# Altium PCB MPPT.PcbDoc
Units mm, origin at the board's own origin, x right, y up, seen from the top; angles counter-clockwise.
Board outline 131.83 x 54.74 mm, 2 copper layers (Top Layer, Bottom Layer), stack 0.569 mm thick; 33 components, 19 nets, 107 pads, 38 vias.
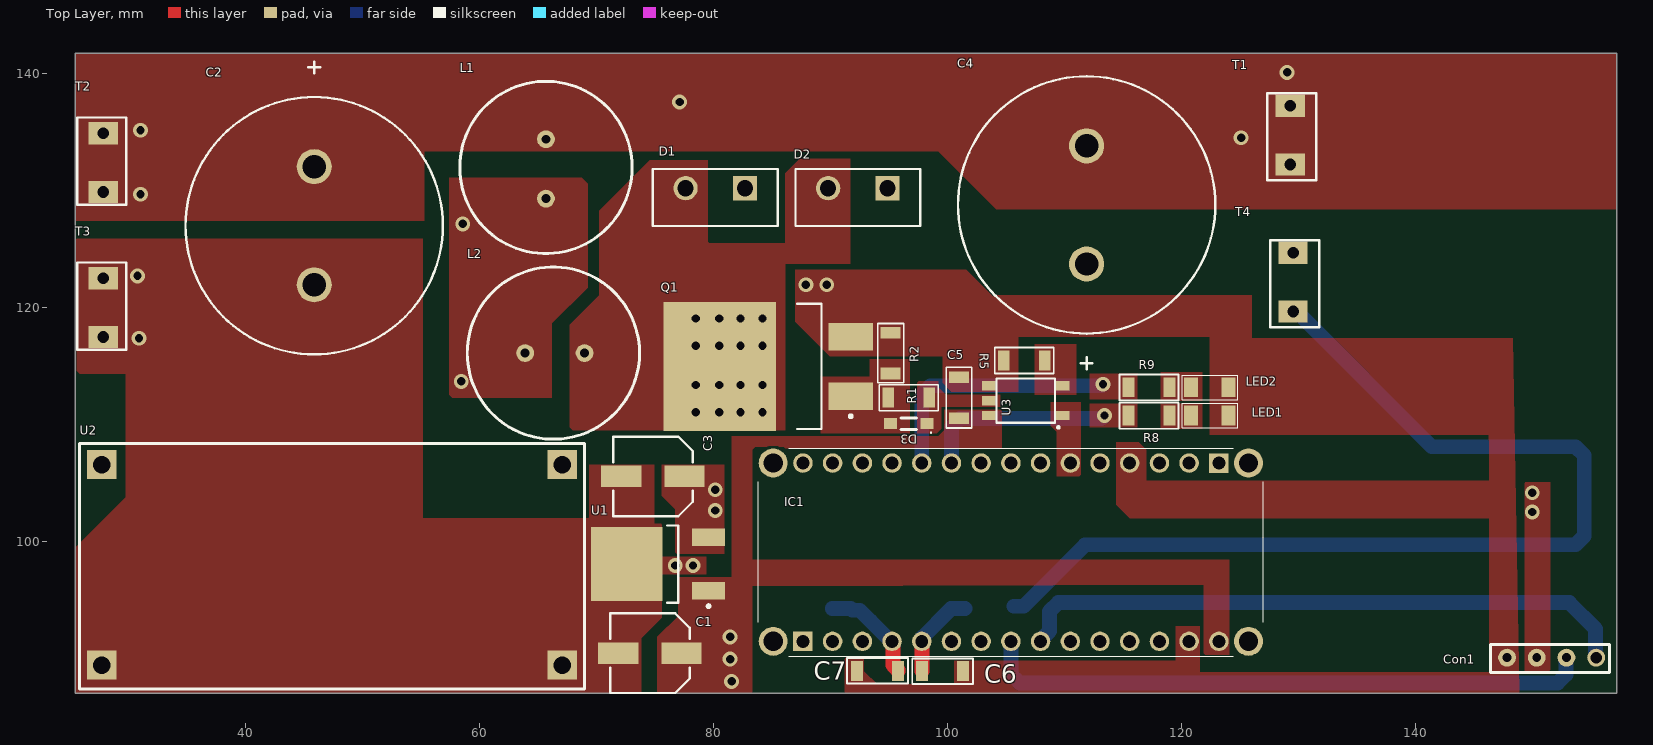
[diagram p0: Top Layer view]
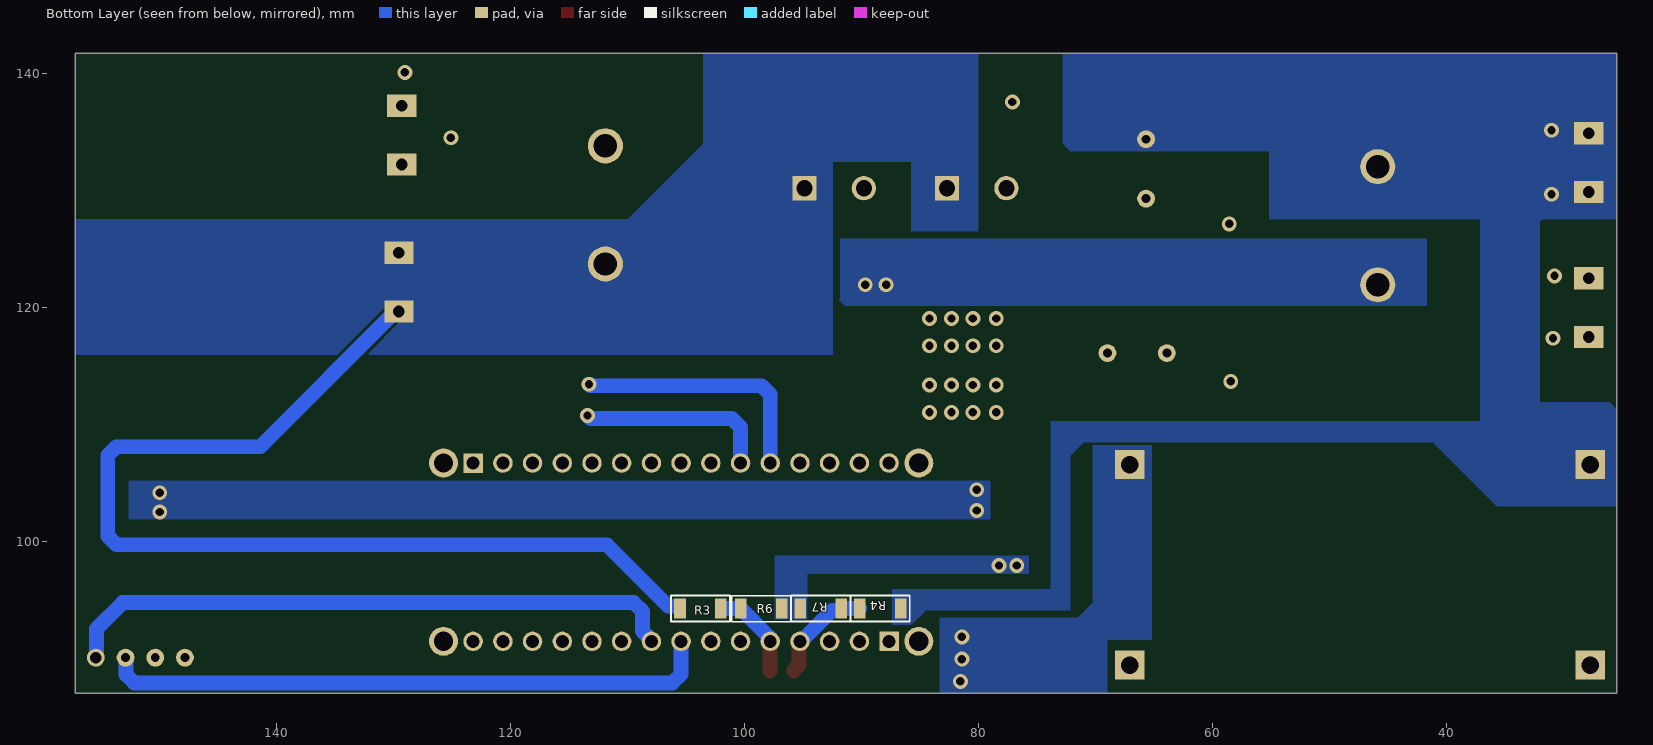
[diagram p1: Bottom Layer view, seen from below]
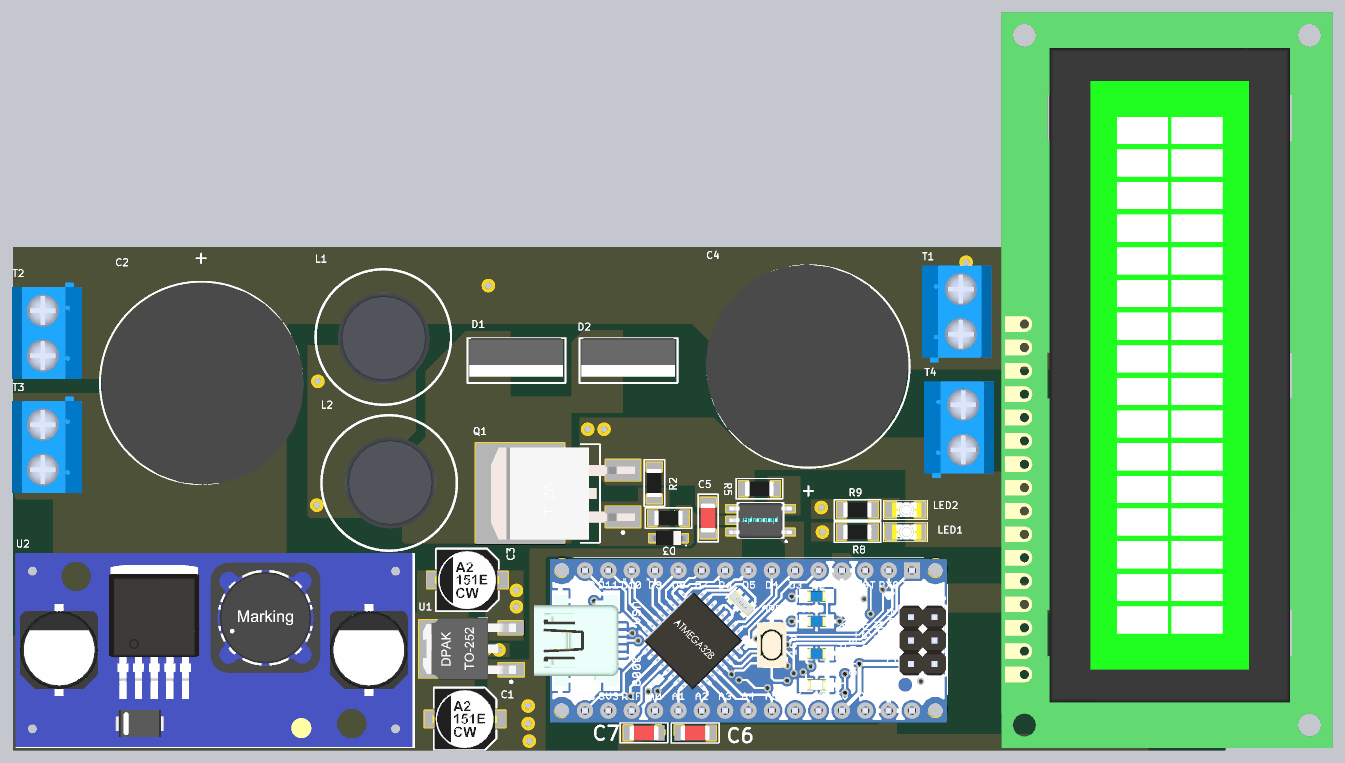
[diagram p2: 3D render of the assembled board from above, using the file's embedded part models]
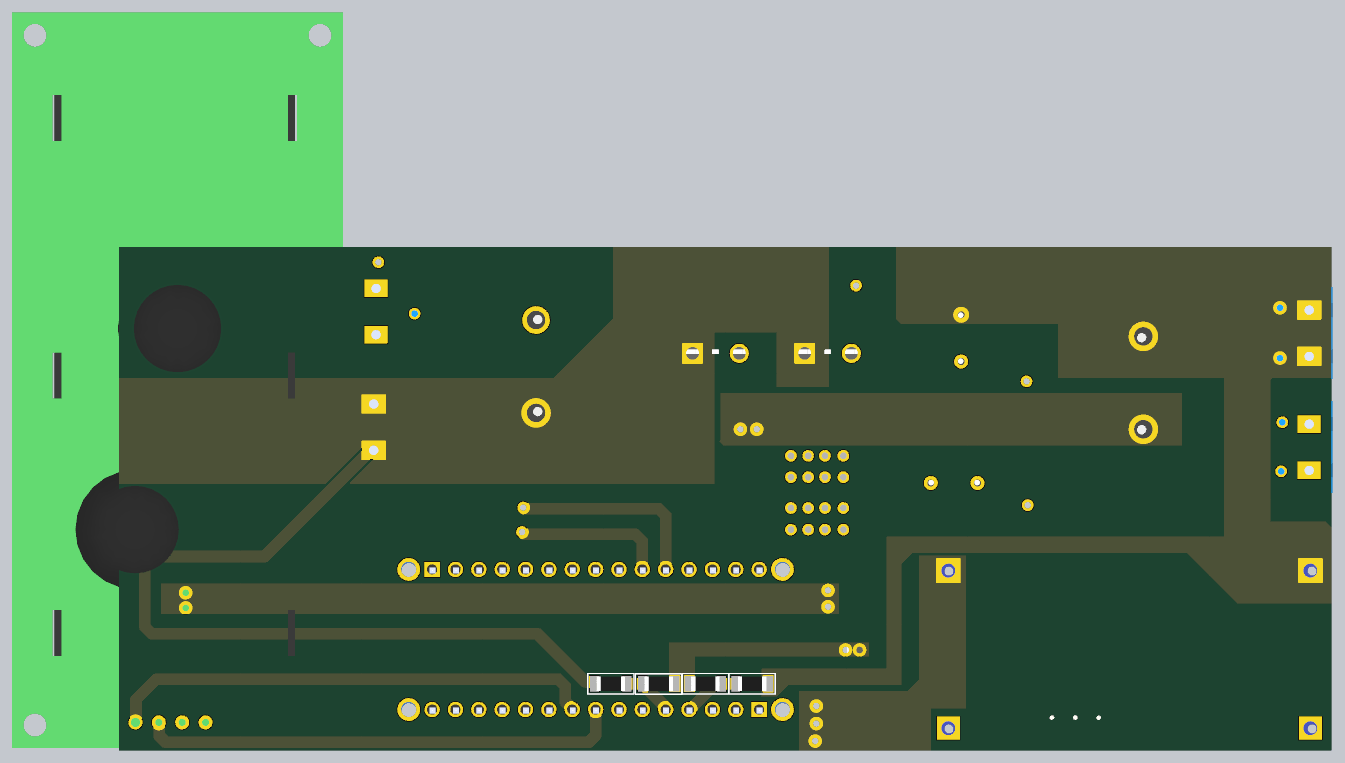
[diagram p3: 3D render of the assembled board from below, using the file's embedded part models]

## Layer stack, top to bottom
Top Solder: solder mask 0.0254, SM-001, Dk 4
Top Layer: signal copper 0.035
Dielectric 1: core 0.4986, Core-043, Dk 4.3
Bottom Layer: signal copper 0.035
Bottom Solder: solder mask 0.0254, SM-001, Dk 4

## Board outline
25.4,86.995 25.4,141.732 157.226,141.732 157.226,86.995

## Design rules (kind name [scope] priority, off if disabled: settings)
Clearance [All] p1: gap=0.254 ignorepadtopadclearanceinfootprint=FALSE except(0: Arc-Hole Track-Hole SMDPad-Hole THPad-Hole Via-Hole Fill-Hole Poly-Hole Region-Hole Text-Hole)
Height [All] p1: minheight=0 maxheight=2539.975 prefheight=12.7
PolygonConnect [All] p1: connectstyle=Direct reliefconductorwidth=0.254 reliefentries=4 polygonreliefangle="90 Angle" airgapwidth=0.254
RoutingVias [All] p1: holewidth=0.711 width=1.27 viastyle="Through Hole" minholewidth=0.711 minwidth=1.27 maxholewidth=0.711 maxwidth=1.27
SolderMaskExpansion [All] p1: expansion=0.102 istentingtop=FALSE
Width [All] p1: maxlimit=25.4 minlimit=0.254 preferedwidth=0.254 minimp=50.000000 maximp=50.000000 favimp=50.000000
29 further rules are at their usual default settings.

## Components (designator, comment, footprint, x,y, rotation, side; value= is the part's Value field where it differs from the comment)
C1 "uF" CapSmdElc 74.549,90.424 r180 top
C2 "4700" "Koshin 63v 4700 cap" 45.847,121.92 r90 top
C3 "uF" CapSmdElc 74.803,105.537 r180 top
C4 "4700" "Koshin 63v 4700 cap" 111.887,133.798 r270 top
C5 "uF" C-1206W 100.965,112.268 r270 top
C6 "uF" C-1206W 99.568,88.9 r180 top
C7 "uF" C-1206W 94.008,88.9 r0 top
Con1 "lcd" lcd 147.828,90.043 r90 top
D1 "1n4148" TO254P483X1016X1994-3P 82.677,130.175 r180 top
D2 "1n4148" TO254P483X1016X1994-3P 94.869,130.175 r180 top
D3 "1n4148" SOD123 98.171,110.109 r180 top
IC1 "ABX00028" ABX00028 87.63,91.44 r0 top
L1 "L" L 65.659,129.286 r180 top
L2 "L" L 68.961,116.078 r270 top
LED1 "LTST-C150KGKT" L-1206 122.428,110.744 r180 top
LED2 "LTST-C150KGKT" L-1206 122.428,113.157 r180 top
Q1 "IRF3205" DPAK_TO263 85.518,114.935 r180 top
R1 "R-1206" R-1206W 96.675,112.268 r180 top
R2 "R-1206" R-1206W 95.123,116.078 r270 top
R3 "R-1206" R-1206W 103.759,94.234 r180 bottom
R4 "R-1206" R-1206W 88.392,94.234 r180 bottom
R5 "R-1206" R-1206W 106.553,115.443 r0 top
R6 "R-1206" R-1206W 98.552,94.234 r0 bottom
R7 "R-1206" R-1206W 93.472,94.234 r180 bottom
R8 "R-1206" R-1206W 117.221,110.744 r180 top
R9 "R-1206" R-1206W 117.221,113.157 r180 top
T1 "TCon" 2pinCon 129.286,137.207 r0 top
T2 "TCon" 2pinCon 27.813,129.874 r180 top
T3 "TCon" 2pinCon 27.813,117.475 r180 top
T4 "TCon" 2pinCon 129.54,124.634 r0 top
U1 "L78M05CDT" TO-252 75.565,98.044 r180 top
U2 "buck" DC_BOOST 25.781,104.394 r0 top
U3 "TLP152" TLP152 106.68,112.268 r180 top

## Footprints (in the part's own frame and the unit in brackets; to place one, negate y for a bottom-side part, rotate by r counter-clockwise, add the part's x,y. Pads: shape width x height; smd on the part's side, far side on the other; paste and mask are expansions set on the pad)
2pinCon [mm]
  rect 2.5x1.9 hole 1: 1(0,-5) 1(0,0.025)
  silkscreen extent -1.96,-6.35 2.22,1.1, body extent -5.07,-8 2.53,2.5, height 10.01
ABX00028 [mm]
  rect 1.665x1.665 hole 1.11: A1(0,0) B1(35.56,15.24)
  round 1.665 hole 1.11: A2(2.54,0) A3(5.08,0) A4(7.62,0) A5(10.16,0) A6(12.7,0) A7(15.24,0) A8(17.78,0) A9(20.32,0) A10(22.86,0) A11(25.4,0) A12(27.94,0) A13(30.48,0) A14(33.02,0) A15(35.56,0) B2(33.02,15.24) B3(30.48,15.24) B4(27.94,15.24) B5(25.4,15.24) B6(22.86,15.24) B7(20.32,15.24) B8(17.78,15.24) B9(15.24,15.24) B10(12.7,15.24) B11(10.16,15.24) B12(7.62,15.24) B13(5.08,15.24) B14(2.54,15.24) B15(0,15.24)
  round 2.475 hole 1.65: MH1(-2.54,0) MH2(-2.54,15.24) MH3(38.1,15.24) MH4(38.1,0)
  silkscreen extent -3.81,-1.27 39.37,16.51, body extent -5.59,-1.4 39.33,16.39, height 12.73
C-1206W [mm] "capacitor 1206 wave soldering"
  rect 1x1.7 smd: 1(-1.75,0) 2(1.75,0)
  silkscreen extent -2.6,-1.07 2.6,1.1, body extent -1.6,-0.8 1.6,0.8, height 1
CapSmdElc [mm] "Aluminum Electrolytic Capacitor, Body 6.70x6.70x6.30mm, IPC Low Density"
  rect 3.45x1.85 smd: 1(-2.7,0) 2(2.7,0)
  silkscreen extent -3.4,-3.4 3.4,3.4, body extent -3.45,-3.27 3.55,3.32, height 6.92
DC_BOOST [mm]
  rect 2.5x2.5 hole 1.5: 1(1.905,2.159) 2(1.905,-14.986) 3(41.275,-14.986) 4(41.275,2.159)
  silkscreen extent 0,-17.02 43.18,3.94, body extent -0.13,-17.02 43.05,4.06, height 12.76
DPAK_TO263 [mm] "D2-PAK, 3-Pads, Body 7.93x8.70mm (max), IPC Medium Density"
  rect 3.81x2.32 smd: 1(-6.2,2.54) 2(-6.2,-2.54)
  rect 9.65x11 smd: 3(5,0)
  silkscreen extent -6.32,-5.35 -1.62,5.35, body extent -7.51,-4.98 8.16,5.02, height 4.81
"Koshin 63v 4700 cap" [mm]
  round 3 hole 2: 1(0,0) 2(10.1,0)
  silkscreen extent -5.95,-11 19.1,11, body extent -6.05,-11.18 15.95,10.82, height 49.77
L [mil]
  round 60 hole 30: 1(0,0) 2(0,-200)
  silkscreen extent -290,-395 290,185, body extent -199,-297 195,97, height 473
L-1206 [mm]
  rect 1.2x1.7 smd: 1(-1.6,0) 2(1.6,0)
  silkscreen extent -2.4,-1.05 2.37,1.05, body extent -1.73,-0.8 1.48,0.8, height 1.11
lcd [mil]
  round 60 hole 30: 1(0,0) 2(0,-100) 3(0,-200)
  round 60 hole 39.37: 4(0,-300)
  silkscreen extent -50,-345 45,55, body extent -110,-829 3040,589, height 434
R-1206W [mm] "resistor 1206 wave soldering"
  rect 1x1.7 smd: 1(-1.75,0) 2(1.75,0)
  silkscreen extent -2.52,-1.1 2.52,1.12, body extent -1.55,-0.77 1.55,0.78, height 0.55
SOD123 [mm]
  rect 1.1x0.95 smd: a(3.063,0.05) k(-0.062,0.05)
  silkscreen extent -0.46,-0.43 2.15,0.87, body extent -0.38,-0.78 3.32,0.83, height 1.28
TLP152 [mm] "SOTFL, 5-Leads, Body 3.75x7.20mm, Pitch 1.27mm, IPC Medium Density"
  rect 1.2x0.8 smd: 1(-3.15,1.524) 2(-3.15,-1.016) 3(3.15,-1.016) 4(3.15,0.254) 5(3.15,1.524)
  silkscreen extent -2.87,-1.65 2.5,2.61, body extent -3.39,-1.65 3.38,2.15, height 2.11
TO254P483X1016X1994-3P [mm]
  rect 2.07x2.07 hole 1.38: 1(0,0)
  round 2.07 hole 1.38: 2(5.08,0)
  silkscreen extent -2.8,-1.65 7.87,3.22, body extent -2.59,-1.67 7.67,2.54, height 19.19
TO-252 [mm]
  rect 2.8x1.5 smd: 1(-4,2.275) 3(-4,-2.275)
  rect 6.1x6.3 smd: 4(3,0)
  silkscreen extent -4.13,-3.3 -0.45,3.72, body extent -4.52,-3.37 5.58,3.37, height 2.41

## Part data
C1 C3: library part C-10uf
C5 C6 C7: library part C-1206
D1 D2: library part schotky, "Diode Small Signal Switching 100V 0.15A 2-Pin SOD-123 T/R", Average Rectified Current=150mA, Forward Voltage=1.2V, Manufacturer=Vishay, Manufacturer Part Number=1N4148W-E3-18, Max Operating Temperature=150°C, Max Power Dissipation=350mW, Max Repetitive Reverse Voltage (Vrrm)=100V, Max Reverse Leakage Current=5uA, Max Reverse Voltage (DC)=75V, Max Surge Current=2A, Min Operating Temperature=-55°C, Package Quantity=10000, Peak Reverse Current=100uA, Supplier Part Number 1=70061597, ComponentLink1Description=https://datasheet.ciiva.com/29885/1n4148w-29885941.pdf?src-supplier=Avnet, ComponentLink1URL=https://datasheet.ciiva.com/29885/1n4148w-29885941.pdf?src-supplier=Avnet, ComponentLink2Description=https://datasheet.ciiva.com/29593/1n4148w-29593113.pdf?src-supplier=Digi-Key, ComponentLink2URL=https://datasheet.ciiva.com/29593/1n4148w-29593113.pdf?src-supplier=Digi-Key, ComponentLink3Description=https://datasheet.ciiva.com/29593/1n4148w-29593111.pdf?src-supplier=Digi-Key, ComponentLink3URL=https://datasheet.ciiva.com/29593/1n4148w-29593111.pdf?src-supplier=Digi-Key, ComponentLink4Description=https://datasheet.ciiva.com/29593/1n4148w-29593112.pdf?src-supplier=Digi-Key, ComponentLink4URL=https://datasheet.ciiva.com/29593/1n4148w-29593112.pdf?src-supplier=Digi-Key, Contact Plating=Tin, Element Configuration=Single, Forward Current=150mA, Height=1.25mm, Lead Free="Lead Free", Length=2.85mm, Mount="Surface Mount", Number of Pins=2, Packaging="Tape and Reel", Peak Non-Repetitive Surge Current=2A, Power Dissipation=350mW, Pricing 1="1 = 0.03900, 25 = 0.03800, 100 = 0.03600, 250 = 0.03400, 500 = 0.03200, 1000 = 0.03100, 2500 = 0.02900 (USD)", Radiation Hardening=No, Recovery Time=4ns, Reverse Recovery Time=4ns, RoHS=Yes, Stock 1=6838, Supplier 1="Allied Electronics", Weight=0.000363oz, Width=1.7mm
D3: library part 1N5819w, "Diode Small Signal Switching 100V 0.15A 2-Pin SOD-123 T/R", Average Rectified Current=150mA, Forward Voltage=1.2V, Manufacturer=Vishay, Manufacturer Part Number=1N4148W-E3-18, Max Operating Temperature=150°C, Max Power Dissipation=350mW, Max Repetitive Reverse Voltage (Vrrm)=100V, Max Reverse Leakage Current=5uA, Max Reverse Voltage (DC)=75V, Max Surge Current=2A, Min Operating Temperature=-55°C, Package Quantity=10000, Peak Reverse Current=100uA, Supplier Part Number 1=70061597, ComponentLink1Description=https://datasheet.ciiva.com/29885/1n4148w-29885941.pdf?src-supplier=Avnet, ComponentLink1URL=https://datasheet.ciiva.com/29885/1n4148w-29885941.pdf?src-supplier=Avnet, ComponentLink2Description=https://datasheet.ciiva.com/29593/1n4148w-29593113.pdf?src-supplier=Digi-Key, ComponentLink2URL=https://datasheet.ciiva.com/29593/1n4148w-29593113.pdf?src-supplier=Digi-Key, ComponentLink3Description=https://datasheet.ciiva.com/29593/1n4148w-29593111.pdf?src-supplier=Digi-Key, ComponentLink3URL=https://datasheet.ciiva.com/29593/1n4148w-29593111.pdf?src-supplier=Digi-Key, ComponentLink4Description=https://datasheet.ciiva.com/29593/1n4148w-29593112.pdf?src-supplier=Digi-Key, ComponentLink4URL=https://datasheet.ciiva.com/29593/1n4148w-29593112.pdf?src-supplier=Digi-Key, Contact Plating=Tin, Element Configuration=Single, Forward Current=150mA, Height=1.25mm, Lead Free="Lead Free", Length=2.85mm, Mount="Surface Mount", Number of Pins=2, Packaging="Tape and Reel", Peak Non-Repetitive Surge Current=2A, Power Dissipation=350mW, Pricing 1="1 = 0.03900, 25 = 0.03800, 100 = 0.03600, 250 = 0.03400, 500 = 0.03200, 1000 = 0.03100, 2500 = 0.02900 (USD)", Radiation Hardening=No, Recovery Time=4ns, Reverse Recovery Time=4ns, RoHS=Yes, Stock 1=6838, Supplier 1="Allied Electronics", Weight=0.000363oz, Width=1.7mm
IC1: "Integrated Circuit", Manufacturer_Name=Arduino, Mouser Part Number=782-ABX00028, RS Part Number=1927586, Datasheet Link=https://store.arduino.cc/arduino-nano-every, Height=10mm, Manufacturer_Part_Number=ABX00028, Mouser Price/Stock=https://www.mouser.co.uk/ProductDetail/Arduino/ABX00028?qs=PzGy0jfpSMtit6rnFl8mVg%3D%3D, RS Price/Stock=http://uk.rs-online.com/web/p/products/1927586
L1 L2: "Inductor", Manufacturer_Name=ABRACON, Manufacturer_Part_Number=ATFC-0201-10N-G-T, Mouser Part Number=815-ATFC-0201-10NG, Datasheet Link=http://www.abracon.com/Magnetics/new/ATFC-0201.pdf, Height=0.28mm, Mouser Price/Stock=https://www.mouser.com/Search/Refine.aspx?Keyword=815-ATFC-0201-10NG
LED1 LED2: "LED", Manufacturer_Name=Lite-On, Mouser Part Number=859-LTST-C150KGKT, RS Part Number=6920871, Datasheet Link=http://optoelectronics.liteon.com/upload/download/ds22-2000-072/ltst-c150kgkt.pdf, Height=1.2mm, Manufacturer_Part_Number=LTST-C150KGKT, Mouser Price/Stock=https://www.mouser.com/Search/Refine.aspx?Keyword=859-LTST-C150KGKT, RS Price/Stock=https://uk.rs-online.com/web/p/products/6920871
Q1: library part IRF3205STRLPBF, "MOSFET N-CH 55V 110A D2PAK", Case/Package=D2PAK, Continuous Drain Current (ID)=110A, Drain to Source Breakdown Voltage=55V, Drain to Source Resistance=8mR, Gate to Source Voltage (Vgs)=20V, Manufacturer=Infineon, Max Operating Temperature=175°C, Max Power Dissipation=200W, Min Operating Temperature=-55°C, Supplier Part Number 1=IRF3205STRLPBFCT-ND, Threshold Voltage=4V, Input Capacitance=3.247nF, ComponentLink1Description=https://www.alliedelec.com/m/d/b8827ca43655240244f0cc5c2198e6b1.pdf?src-supplier=Allied+Electronics, ComponentLink1URL=https://www.alliedelec.com/m/d/b8827ca43655240244f0cc5c2198e6b1.pdf?src-supplier=Allied+Electronics, ComponentLink2Description=https://www.infineon.com/dgdl/irf3205spbf.pdf?fileId=5546d462533600a4015355defac9190c&src-supplier=Digi-Key, ComponentLink2URL=https://www.infineon.com/dgdl/irf3205spbf.pdf?fileId=5546d462533600a4015355defac9190c&src-supplier=Digi-Key, ComponentLink3Description=http://www.infineon.com/dgdl/irf3205spbf.pdf?fileId=5546d462533600a4015355defac9190c&src-supplier=Digi-Key, ComponentLink3URL=http://www.infineon.com/dgdl/irf3205spbf.pdf?fileId=5546d462533600a4015355defac9190c&src-supplier=Digi-Key, ComponentLink4Description=http://www.farnell.com/datasheets/1884183.pdf?src-supplier=Element14, ComponentLink4URL=http://www.farnell.com/datasheets/1884183.pdf?src-supplier=Element14, Drain to Source Voltage (Vdss)=55V, Height=0.19inch, Lead Free="Lead Free", Length=0.42inch, Manufacturer Part Number=IRF3205STRLPBF, Mount="Surface Mount", Number of Pins=3, Packaging="Cut Tape", Power Dissipation=200W, Pricing 1="1 = 1,84000, 10 = 1,66600, 100 = 1,33840 (USD)", Rds On Max=8mR, REACH SVHC="No SVHC", RoHS=Yes, Stock 1=3281, Supplier 1=Digi-Key, Turn-Off Delay Time=50ns, Turn-On Delay Time=14ns, Width=0.38inch
R1 R2 R3 R4 R5 R6 R7 R8 R9: "Res1206"
T1 T2 T3 T4: library part "Terminal Connector", ComponentLink1Description=https://www.ozdisan.com/konnektor-baglanti-elemanlari/terminal-konnektorler/vida-tipi-konnektorler/K36-00AH, ComponentLink1URL=https://www.ozdisan.com/konnektor-baglanti-elemanlari/terminal-konnektorler/vida-tipi-konnektorler/K36-00AH
U1: library part L78M15CDT, "Linear Voltage Regulators 15V 0.5A Positive", Case/Package=DPAK, Dropout Voltage=2V, Manufacturer=STMicroelectronics, Max Operating Temperature=150°C, Max Output Current=500mA, Max Input Voltage=35V, Min Operating Temperature=0°C, Output Voltage=15V, Package Quantity=75, Quiescent Current=6mA, ComponentLink1Description=http://docs-usa.electrocomponents.com/techlib:/itc_doclist_US.htm?stockno=1890999&src-supplier=Allied+Electronics, ComponentLink1URL=http://docs-usa.electrocomponents.com/techlib:/itc_doclist_US.htm?stockno=1890999&src-supplier=Allied+Electronics, ComponentLink2Description=http://www.st.com/web/en/resource/technical/document/datasheet/CD00000447.pdf?src-supplier=Avnet+Europe, ComponentLink2URL=http://www.st.com/web/en/resource/technical/document/datasheet/CD00000447.pdf?src-supplier=Avnet+Europe, ComponentLink3Description=http://www.mouser.com/ds/2/389/stmicroelectronics_cd00000447-329548.pdf?src-supplier=Mouser, ComponentLink3URL=http://www.mouser.com/ds/2/389/stmicroelectronics_cd00000447-329548.pdf?src-supplier=Mouser, Height=2.4mm, Length=6.6mm, Manufacturer Part Number=L78M15CDT, Min Input Voltage=35V, Mount="Surface Mount", Number of Outputs=1, Number of Pins=3, Output Current=500mA, Output Type=Fixed, Packaging=Rail/Tube, Polarity=Positive, Radiation Hardening=No, RoHS=Yes, Supplier 1=Avnet, Supplier Part Number 1=L78M15CDT, Width=6.2mm
U3: library part TLP152(TPL,E, "OPTOISO 3.75KV GATE DRIVER 6SO-5", Case/Package=SO, Forward Current=10mA, Forward Voltage=1.57V, High Level Output Current=2A, Manufacturer=Toshiba, Max Operating Temperature=100°C, Max Output Current=2.5A, Max Power Dissipation=260mW, Min Operating Temperature=-40°C, Package Quantity=3000, Supplier Part Number 1=757-TLP152TPLE, ComponentLink1Description=https://datasheet.ciiva.com/41848/tlp152-datasheet-en-20120914-41848928.pdf?src-supplier=Digi-Key, ComponentLink1URL=https://datasheet.ciiva.com/41848/tlp152-datasheet-en-20120914-41848928.pdf?src-supplier=Digi-Key, Direction=Unidirectional, Fall Time=22ns, Low Level Output Current=2A, Manufacturer Part Number=TLP152(TPL,E, Mount="Surface Mount", Number of Channels=1, Number of Pins=5, Output Current=2.5A, Packaging="Tape and Reel", Pricing 1="1 = 1.55000, 10 = 0.96800, 50 = 0.96800, 100 = 0.87200, 1000 = 0.54300, 10000 = 0.44000 (USD)", Propagation Delay=165ns, Pulse Width Distortion (PWD)=50ns, Rise Time=18ns, RoHS=Yes, Stock 1=22321, Supplier 1=Mouser, Turn-On Delay Time=190ns

## Via types
v1: diameter 1.27, hole 0.711, Top Layer to Bottom Layer, 38 vias

## Nets (pads, with @x,y where several pads share a name; then routed paths per layer and width w, separated by ;. In a path a pad name is that pad's centre, name@x,y a point inside that pad or via, vN(x,y) a via of type N, cw(c..) or ccw(c..) an arc to the next point about the centre after c; other vN are vias at no path point)
5v: C3.1 Con1.2 U1.3
  other v1: 149.987,102.489 80.137,102.616 149.987,104.14 80.137,104.394
12v: C1.1 C5.2 IC1.A15 U1.1 U2.4 U3.5
  other v1: 81.534,88.011 81.407,89.916 81.407,91.821
A0: C7.2 IC1.A4 R4.1 R7.2 | length 9
  Top Layer w1.27: IC1.A4 95.326,91.364 95.326,89.412 95.758,88.98 C7.2
  Bottom Layer w1.27: R4.1 R7.2 91.857,94.099 92.486,94.099 93.423,93.162 95.145,91.44 IC1.A4
A1: C6.2 IC1.A5 R3.2 R6.2 | length 7.6
  Top Layer w1.27: IC1.A5 97.804,91.426 97.804,88.914 C6.2
  Bottom Layer w1.27: IC1.A5 97.866,91.516 97.866,91.798 100.167,94.099 R6.2 101.501,94.234
GND: C1.2 C2.1 C3.2 C5.1 C6.1 C7.1 Con1.1 IC1.A14 IC1.B4 LED1.1 LED2.1 Q1.2 R2.1 R5.1 R6.1 R7.1 T3.1 U1.4 U2.2 U2.3 U3.3
  other v1: 76.708,97.917 78.232,97.917 30.861,117.348 87.884,121.92 89.662,121.92 30.734,122.682
L1: IC1.B10 R8.2 | length 16.6
  Bottom Layer w1.27: IC1.B10 100.33,109.746 101.074,110.49 113.157,110.49 v1(113.411,110.744)
L2: IC1.B11 R9.2 | length 21.7
  Bottom Layer w1.27: IC1.B11 97.79,112.54 98.534,113.284 113.157,113.284 v1(113.284,113.411)
NetD1_2: D1.2 D2.2 L2.1 Q1.3
  other v1: 78.468,111.01 80.468,111.01 82.293,111.01 84.168,111.01 78.468,113.36 80.468,113.36 82.293,113.36 84.168,113.36 78.468,116.71 80.468,116.71 82.293,116.71 84.168,116.71 78.468,119.035 80.468,119.035 82.293,119.035 84.168,119.035
NetD3_a: D3.a Q1.1 R1.2 R2.2
NetD3_k: D3.k R1.1 U3.4
NetL1_1: L1.1 L2.2
  other v1: 58.42,113.665 58.547,127.127
NetLED1_2: LED1.2 R8.1
NetLED2_2: LED2.2 R9.1
NetR5_2: R5.2 U3.2
NetU3_1: IC1.B6 U3.1
SCL: Con1.4 IC1.A9 | length 53.3
  Bottom Layer w1.27: IC1.A9 107.95,91.547 108.712,92.309 108.712,93.998 109.456,94.742 153.162,94.742 155.399,92.505 155.399,90.092 Con1.4
SDA: Con1.3 IC1.A8 | length 52.3
  Bottom Layer w1.27: IC1.A8 105.41,88.628 106.154,87.884 152.164,87.884 152.859,88.579 152.859,89.994 Con1.3
Vin: C2.2 C4.1 L1.2 R4.2 T1.1 T2.1 U2.1
  other v1: 30.988,129.667 125.095,134.493 30.988,135.128 77.089,137.541 129.032,140.081
Vout: C4.2 D1.1 D2.1 R3.1 T4.1 | length 88.1
  Bottom Layer w1.27: R3.1@105.664,94.432 106.497,94.432 111.76,99.695 153.688,99.695 154.432,100.439 154.432,107.333 153.688,108.077 141.397,108.077 129.84,119.634 T4.1@129.54,119.634
pads on no net: IC1.A1 IC1.A2 IC1.A3 IC1.A6 IC1.A7 IC1.A10 IC1.A11 IC1.A12 IC1.A13 IC1.B1 IC1.B2 IC1.B3 IC1.B5 IC1.B7 IC1.B8 IC1.B9 IC1.B12 IC1.B13 IC1.B14 IC1.B15 IC1.MH1 IC1.MH2 IC1.MH3 IC1.MH4

## Polygon pours and split planes (outlines as drawn)
GND on Top Layer "GND_L01_P013" (solid, pour order 13): 75.565,98.679 79.375,98.679 79.375,97.155 75.565,97.155 75.565,93.472 73.787,91.694 73.787,86.995 25.4,86.995 25.4,99.441 29.718,103.759 29.718,114.3 25.781,114.3 25.527,114.554 25.4,125.73 25.527,125.857 55.118,125.857 55.118,101.981 69.278,101.981 69.342,102.044 69.342,106.553 74.93,106.553 74.93,101.473 75.692,101.473 75.565,101.346
5v on Top Layer "5V_L01_P028" (solid, pour order 28): 149.225,105.029 149.352,104.902 149.352,88.9 151.384,88.9 151.511,89.027 151.511,105.029
GND on Top Layer "GND_L01_P021" (solid, pour order 21): 146.685,105.156 116.967,105.156 116.967,107.823 116.332,108.458 114.427,108.458 114.427,103.124 115.57,101.981 146.685,101.981
L1 on Top Layer "L1_L01_P020" (solid, pour order 20): 112.141,111.76 116.205,111.76 116.205,109.728 112.141,109.728
L2 on Top Layer "L2_L01_P019" (solid, pour order 19): 112.141,114.3 116.205,114.3 116.205,112.141 112.141,112.141
NetU3_1 on Top Layer "NETU3_1_L01_P017" (solid, pour order 17): 108.839,111.887 111.379,111.887 111.379,105.664 111.252,105.537 109.347,105.537 109.347,109.347 108.839,109.855
NetLED1_2 on Top Layer "NETLED1_2_L01_P016" (solid, pour order 16): 118.217,111.76 121.773,111.76 121.773,109.601 118.217,109.601
NetLED2_2 on Top Layer "NETLED2_2_L01_P015" (solid, pour order 15): 118.237,114.427 121.793,114.427 121.793,112.014 118.237,112.014
5v on Top Layer "5V_L01_P012" (solid, pour order 12): 75.565,106.553 80.899,106.553 80.899,98.933 76.708,98.933 76.708,102.743 75.565,103.886
12v on Top Layer "12V_L01_P011" (solid, pour order 11): 83.312,98.425 124.079,98.425 124.079,93.218 124.079,90.297 122.047,90.297 121.92,90.424 121.92,93.472 121.92,96.266 83.312,96.139 83.312,86.985 75.184,87.032 75.184,91.821 76.962,93.599 76.962,96.901 81.534,96.901 81.534,108.966 99.187,108.966 99.695,109.474 99.695,111.379 104.394,111.379 104.648,111.125 104.648,107.95 86.106,107.95 85.979,108.077 83.566,108.077 83.312,107.823
NetD3_k on Top Layer "NETD3_K_L01_P009" (solid, pour order 9): 97.409,109.22 97.409,113.538 97.536,113.665 99.187,113.665 99.187,113.157 99.822,112.522 104.521,112.522 104.521,111.506 99.441,111.506 99.441,109.601 99.06,109.22
NetR5_2 on Top Layer "NETR5_2_L01_P008" (solid, pour order 8): 107.442,116.84 110.998,116.84 110.998,112.522 107.442,112.522
GND on Top Layer "GND_L01_P007" (solid, pour order 7): 100.584,87.757 93.98,87.757 92.837,88.9 92.837,90.043 91.313,90.043 91.186,89.916 91.186,86.995 148.88,86.995 148.336,117.348 125.984,117.348 125.984,121.031 104.013,121.031 103.886,120.904 101.6,123.19 86.995,123.19 86.995,118.745 89.916,115.824 99.568,115.824 99.568,113.538 100.33,112.776 106.045,112.776 106.045,117.475 122.428,117.475 122.428,109.093 127.762,109.093 146.277,109.093 146.304,108.077 146.304,88.773 121.539,88.773 121.539,92.71 119.507,92.71 119.507,89.789 100.584,89.789
NetD3_a on Top Layer "NETD3_A_L01_P006" (solid, pour order 6): 89.154,114.046 93.345,114.046 93.345,115.57 96.774,115.57 96.774,109.22 89.154,109.22
NetD1_2 on Top Layer "NETD1_2_L01_P002" (solid, pour order 2): 67.691,118.491 70.231,121.031 70.231,128.27 74.549,132.588 79.502,132.588 79.502,125.603 79.629,125.476 86.106,125.476 86.106,131.445 87.376,132.715 91.694,132.715 91.694,123.698 86.106,123.698 86.106,109.474 67.945,109.474 67.691,109.728
NetL1_1 on Top Layer "NETL1_1_L01_P001" (solid, pour order 1): 57.406,131.064 68.707,131.064 69.215,130.556 69.215,121.666 66.167,118.618 66.167,112.268 57.658,112.268 57.406,112.52
Vin on Top Layer "VIN_L01_P000" (solid, pour order 0): 25.4,141.732 157.226,141.732 157.226,128.397 104.14,128.397 99.187,133.35 55.245,133.35 55.245,127.381 25.4,127.381
5v on Bottom Layer "5V_L02_P027" (solid, pour order 27): 78.969,105.156 152.654,105.156 152.654,103.251 152.654,101.854 78.969,101.854
GND on Bottom Layer "GND_L02_P023" (solid, pour order 23): 75.692,98.741 97.409,98.741 97.409,93.345 94.615,93.345 94.615,97.217 75.692,97.217
12v on Bottom Layer "12V_L02_P022" (solid, pour order 22): 65.151,108.204 70.231,108.204 70.231,94.742 71.501,93.472 83.312,93.472 83.312,86.995 68.961,86.995 68.961,91.567 65.151,91.567
GND on Bottom Layer "GND_L02_P018" (solid, pour order 18): 41.656,125.857 91.821,125.857 91.821,120.777 91.948,120.65 91.44,120.142 41.656,120.142
Vin on Bottom Layer "VIN_L02_P014" (solid, pour order 14): 37.084,110.236 38.227,110.236 73.787,110.236 73.787,101.981 73.787,101.219 73.787,100.457 73.787,95.885 87.376,95.885 87.376,92.837 85.725,92.837 84.455,94.107 72.136,94.107 72.136,107.315 70.993,108.458 41.148,108.458 35.687,102.997 25.4,102.997 25.4,111.252 26.035,111.887 32.004,111.887 32.004,127.254 31.75,127.508 25.4,127.508 25.4,141.732 72.771,141.732 72.771,133.985 72.136,133.35 55.118,133.35 55.118,127.508 37.084,127.508
Vout on Bottom Layer "VOUT_L02_P005" (solid, pour order 5): 80.01,126.492 80.01,141.732 103.505,141.732 103.505,133.985 109.982,127.508 157.226,127.508 157.226,115.951 115.57,115.951 92.456,115.951 92.456,132.461 85.725,132.461 85.725,126.492
no net on Bottom Layer "NONET_L02_P003" (solid, pour order 3): 80.137,127.508

## Silkscreen, mask and mechanical layers (free items; w line width, h text height)
Mechanical 1:
  the board outline again, w0.254